# Altium PCB EspProg-V1.0.PcbDoc
Units mm, origin at the board's own origin, x right, y up, seen from the top; angles counter-clockwise.
Board outline 76.6 x 46.8 mm, 2 copper layers (Top Layer, Bottom Layer), stack 1.58 mm thick; 24 components, 20 nets, 83 pads, 0 vias.
Unrouted connection lines stored in the file: 16.
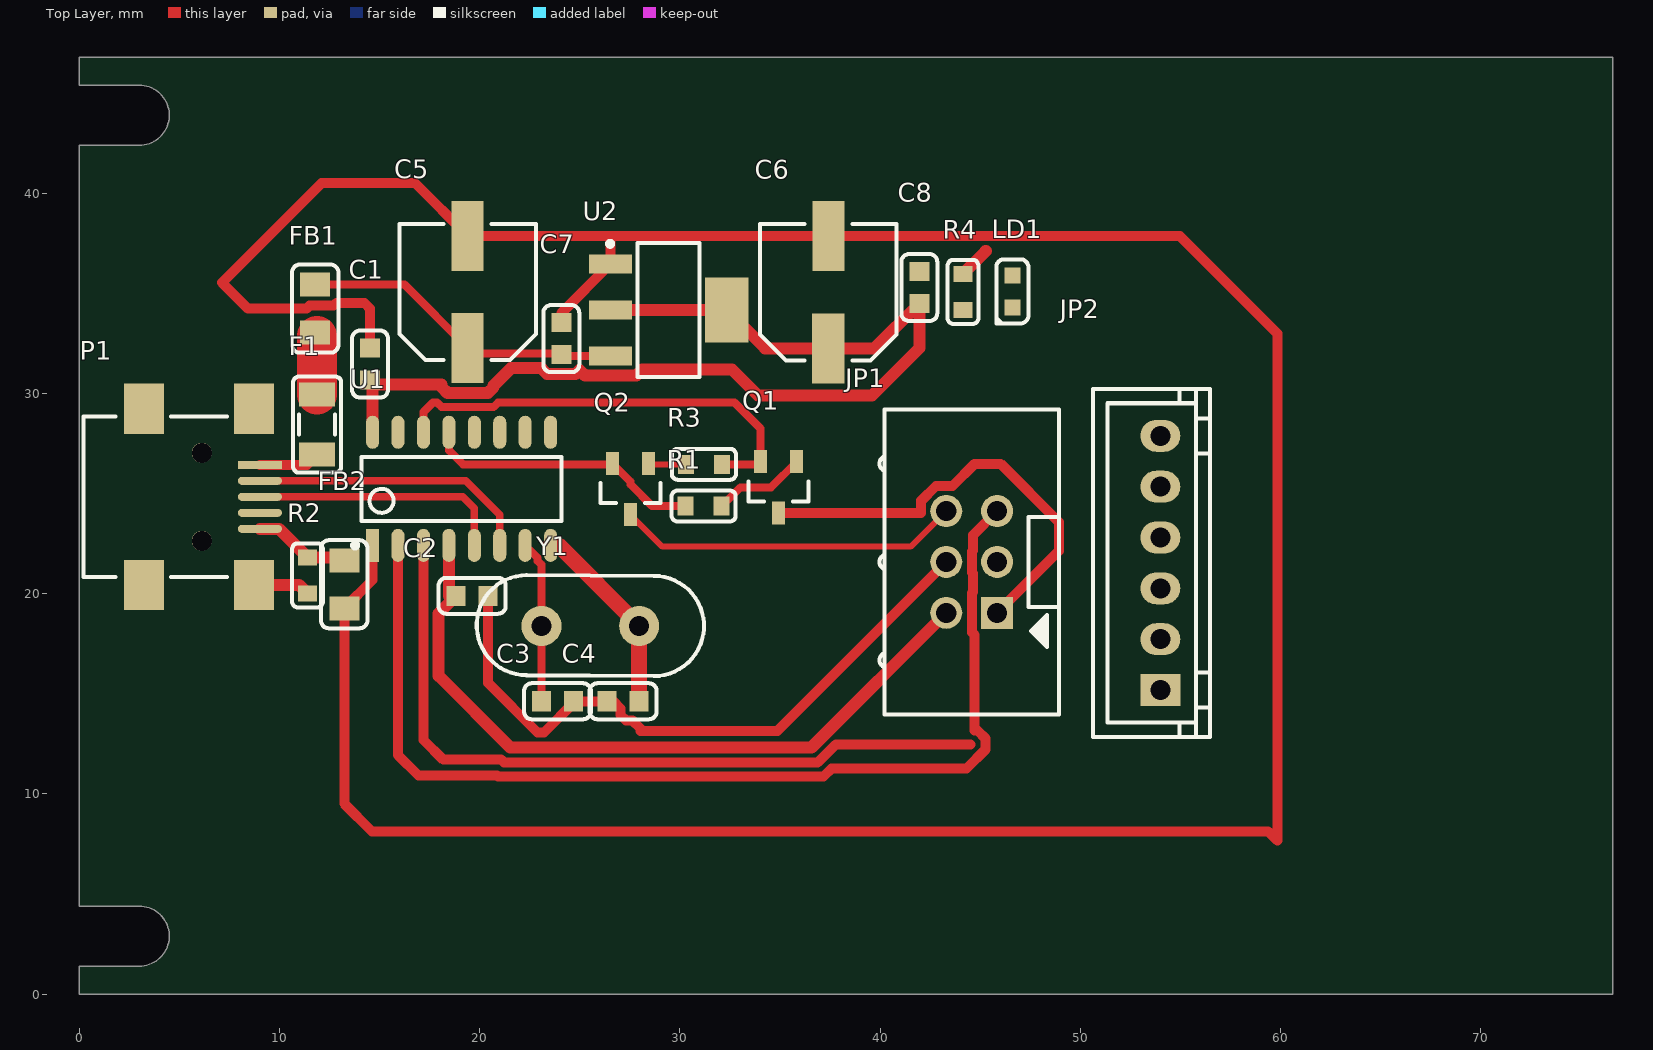
[diagram p0: Top Layer view]
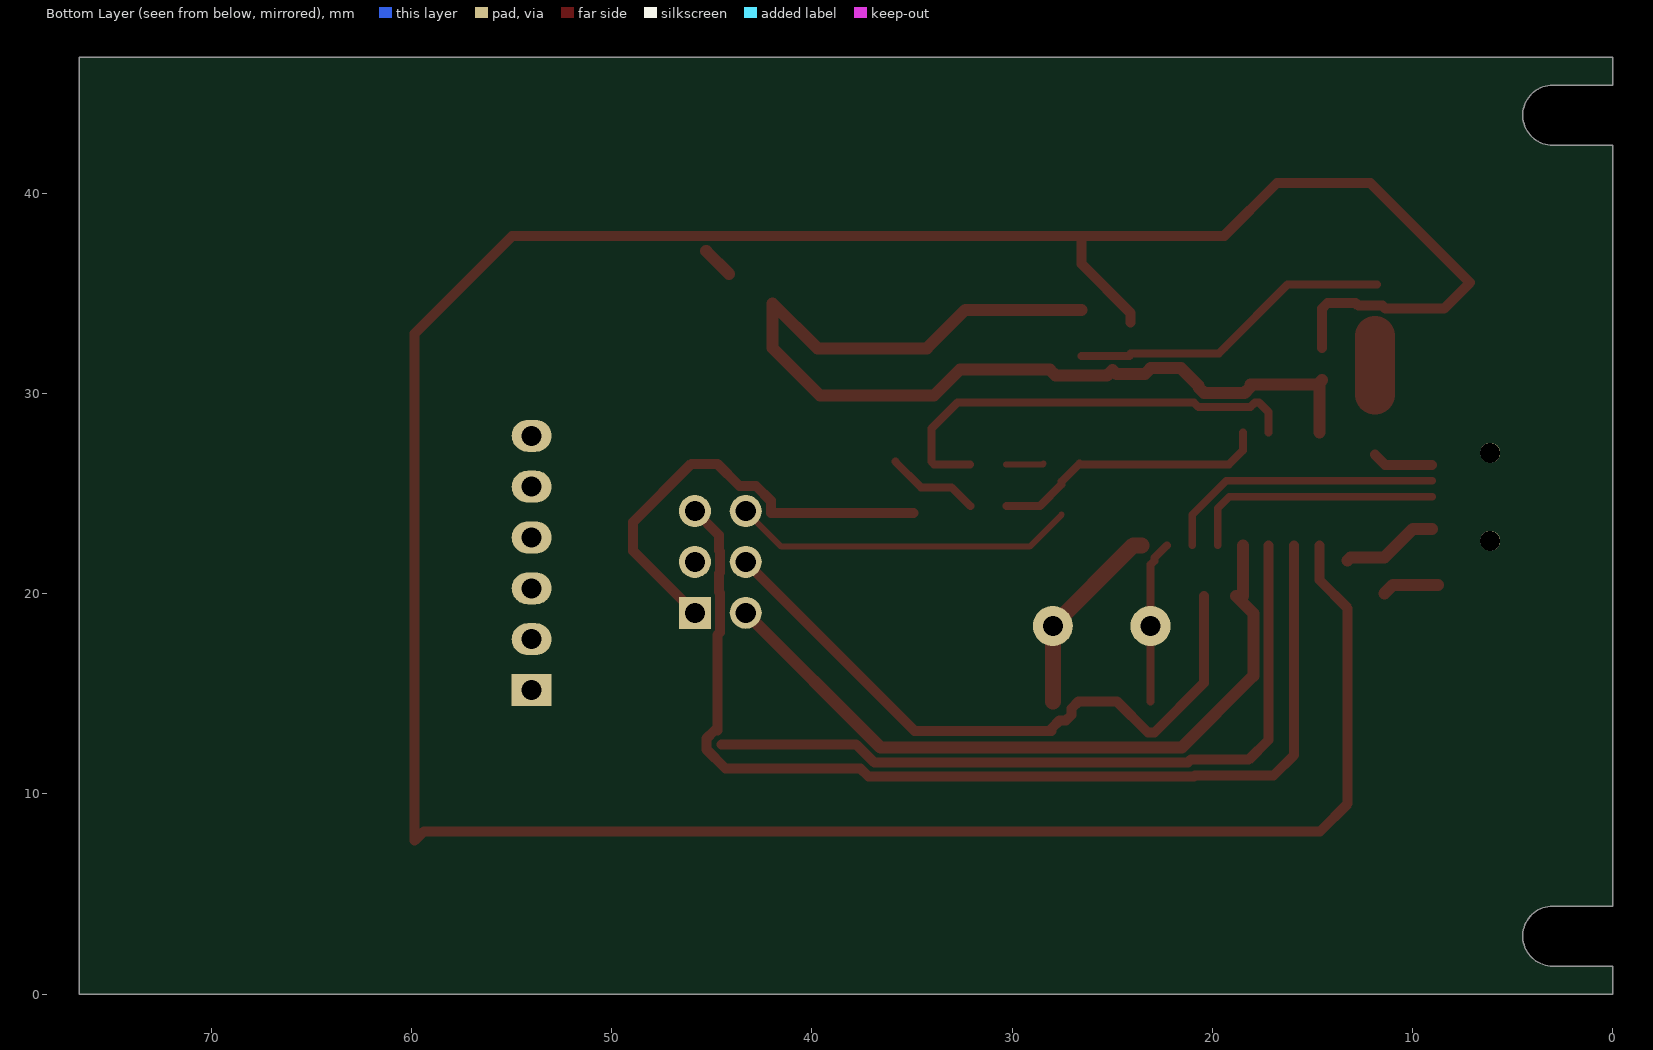
[diagram p1: Bottom Layer view, seen from below]
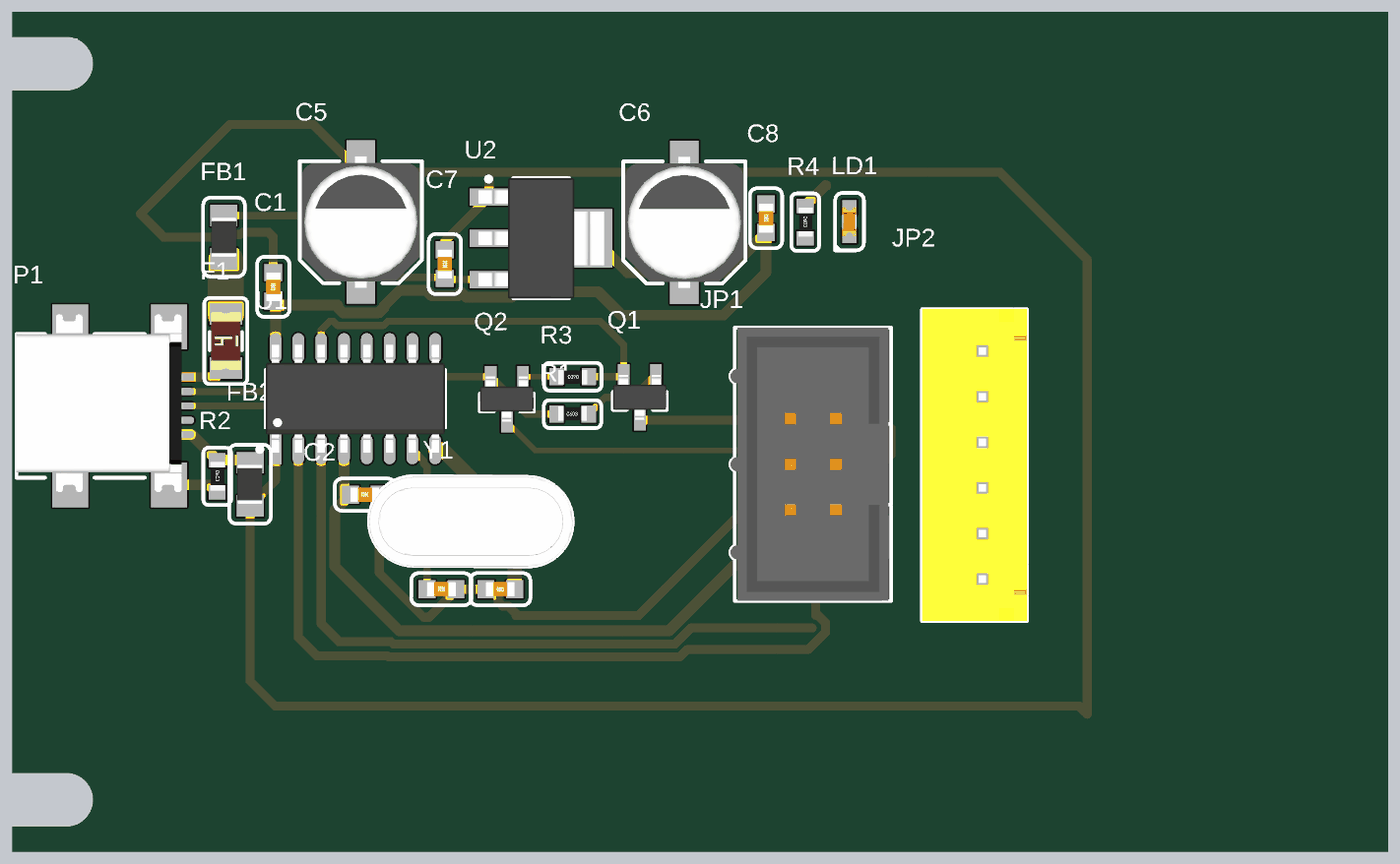
[diagram p2: 3D render of the assembled board from above, using the file's embedded part models]

## Layer stack, top to bottom
Top Solder: solder mask 0.01, Solder Resist, Dk 3.5
Top Layer: signal copper 0.036
Dielectric 1: dielectric 1.508, FR-4, Dk 4.8
Bottom Layer: signal copper 0.036
Bottom Solder: solder mask 0.01, Solder Resist, Dk 3.5

## Board outline
0,0 0,1.4 3,1.4 ccw(c3,2.9) 3,4.4 0,4.4 0,42.4 3,42.4 ccw(c3,43.9) 3,45.4 0,45.4 0,46.8 76.6,46.8 76.6,0

## Design rules (kind name [scope] priority, off if disabled: settings)
Clearance Clearance_IC [InComponent('U1')] p1: gap=0.127 ignorepadtopadclearanceinfootprint=TRUE
Clearance Clearance_Pour [InPolygon] p2: gap=0.54 ignorepadtopadclearanceinfootprint=FALSE
Clearance [All] p3: gap=0.2 ignorepadtopadclearanceinfootprint=TRUE
ComponentClearance ComponentClearance_CONN [(HasFootprint('CON-TER-HB9500-2') OR HasFootprint('CON-TER-KF128V-02'))] p1: gap=-5 collisioncheckmode=3 verticalgap=0.254 showdistances=FALSE
ComponentClearance [All] p2: gap=0.254 collisioncheckmode=3 verticalgap=0.127 showdistances=FALSE
DiffPairsRouting [All] p1: maxlimit=0.4 minlimit=0.3 mostfreqgap=0.3 toplayer_minwidth=0.381 toplayer_maxwidth=0.381 toplayer_prefwidth=0.381 bottomlayer_minwidth=0.381 bottomlayer_maxwidth=0.381 bottomlayer_prefwidth=0.381 maxuncoupledlength=12.7
Height [All] p1: minheight=0 maxheight=50 prefheight=12.7
HoleSize [All] p1: absolutevalues=TRUE maxlimit=4 minlimit=0.3 maxpercent=80.000 minpercent=20.000
MinimumSolderMaskSliver [All] p1: minsoldermaskwidth=0.05
PlaneConnect [All] p1: planeconnectstyle=Direct reliefexpansion=0.508 reliefentries=4 reliefconductorwidth=0.254 reliefairgap=0.254
PolygonConnect PolygonConnect_U1 [All vs InNamedPolygon('GND_POLYGON_U1')] p1: connectstyle=Direct reliefconductorwidth=0.5 reliefentries=4 polygonreliefangle="90 Angle" airgapwidth=0.3
PolygonConnect [All] p2: thpad.connectstyle=Relief thpad.reliefconductorwidth=0.6 thpad.reliefentries=4 thpad.polygonreliefangle="90 Angle" thpad.airgapwidth=0.3 smdpad.connectstyle=Relief smdpad.reliefconductorwidth=0.5 smdpad.reliefentries=4 smdpad.polygonreliefangle="90 Angle" smdpad.airgapwidth=0.3 via.connectstyle=Direct via.reliefconductorwidth=0.254 via.reliefentries=4 via.polygonreliefangle="90 Angle" via.airgapwidth=0.254
RoutingVias [All] p1: holewidth=0.3 width=0.6 viastyle="Through Hole" minholewidth=0.3 minwidth=0.6 maxholewidth=1 maxwidth=2
SilkToSolderMaskClearance [IsPad] p1: minsilkscreentomaskgap=0.127 clearancetoexposedcopper=TRUE
SolderMaskExpansion [All] p1: expansion=0.102 istentingtop=FALSE
Width [All] p1: maxlimit=2.5 minlimit=0.2 preferedwidth=0.6
23 further rules are at their usual default settings.

## Classes and differential pairs
differential pair USB: +USB_P -USB_N

## Components (designator, comment, footprint, x,y, rotation, side; value= is the part's Value field where it differs from the comment)
C1 "100nF/16V" CAP-CER0603-0.8H 14.529,31.471 r270 top
C2 "100nF/16V" CAP-CER0603-0.8H 19.629,19.897 r180 top
C3 "22pF/16V" CAP-CER0603-0.8H 23.889,14.63 r180 top
C4 "22pF/16V" CAP-CER0603-0.8H 27.169,14.63 r0 top
C5 "100uF/16V" CAP-ALU-6.3D5.8H-SMD 19.406,35.077 r90 top
C6 "100uF/16V" CAP-ALU-6.3D5.8H-SMD 37.415,35.058 r90 top
C7 "100nF/16V" CAP-CER0603-0.8H 24.079,32.741 r90 top
C8 "100nF/16V" CAP-CER0603-0.8H 41.961,35.293 r90 top
F1 "6V/2A" FUS-PTC-SMD1206-1.6H 11.887,28.45 r90 top
FB1 "120R/3A" IND-C0805-1.1H 11.786,34.239 r90 top
FB2 "120R/3A" IND-C0805-1.1H 13.233,20.472 r270 top
JP1 "IDC6S" CON-IDC6-2.54P9.3H-S-THR 44.577,21.59 r90 top
JP2 "XH2.54M-1X06V-7H" CON-XH2.54-6S 54,21.539 r90 top
LD1 "RED" LED-IND0603-RED-0.6H 46.609,35.103 r270 top
P1 "MINI-B RA" CON-USB-MINIB-SMD 4.851,24.841 r270 top
Q1 "40V/0.6A" SOT23-3-1.1H 34.936,25.319 r270 top
Q2 "40V/0.6A" SOT23-3-1.1H 27.534,25.222 r270 top
R1 "1K" RES-CHP0603-0.6H 31.191,24.384 r0 top
R2 "1M" RES-CHP0603-0.6H 11.405,20.919 r270 top
R3 "1K" RES-CHP0603-0.6H 31.202,26.467 r180 top
R4 "10K" RES-CHP0603-0.6H 44.145,35.077 r270 top
U1 "CH340G" SOIC16-1.75H 19.101,25.241 r90 top
U2 "TLV1117-3.3" SOT223-4N-1.8H 29.443,34.177 r0 top
Y1 "12MHz" XTAL-HC49S-3.5H-THR 25.529,18.39 r0 top

## Footprints (in the part's own frame and the unit in brackets; to place one, negate y for a bottom-side part, rotate by r counter-clockwise, add the part's x,y. Pads: shape width x height; smd on the part's side, far side on the other; paste and mask are expansions set on the pad)
CAP-ALU-6.3D5.8H-SMD [mm] "CAP ALU 6.3D5.8H BODY 6.60X6.60 SMD"
  rect 3.5x1.6 smd: 1(-2.8,0.001) 2(2.8,0)
  silkscreen extent -3.4,-3.4 3.4,3.4, body extent -3.65,-3.3 3.65,3.3, height 5.8
CAP-CER0603-0.8H [mm] "CAP CER 0805 0.8 Height SMD Density Level B"
  rect 0.95x1 smd: 1(-0.8,0) 2(0.8,0)
  silkscreen extent -1.68,-0.9 1.68,0.9, body extent -0.8,-0.4 0.8,0.4, height 0.3
CON-IDC6-2.54P9.3H-S-THR [mm] "Connector IDC6 Strangle, Pitch 2.54mm, Height 9.3mm"
  rect 1.6x1.6 hole 1: 1(-2.54,-1.27)
  round 1.6 hole 1: 2(-2.54,1.27) 3(0,-1.27) 4(0,1.27) 5(2.54,-1.27) 6(2.54,1.27)
  silkscreen extent -7.61,-4.35 7.61,4.6, body extent -7.61,-4.25 7.61,4.6, height 9.33
CON-USB-MINIB-SMD [mm] "Connector, USB2.0, Type Mini B, SMD"
  round 1 hole 1: 0(-2.2,1.275) 0(2.2,1.275)
  rect 0.4x2.2 smd: 1(-1.6,4.175)
  oval 0.4x2.2 smd: 2(-0.8,4.175) 3(0,4.175) 4(0.8,4.175) 5(1.6,4.175)
  rect 2.5x2 smd: 6(-4.4,3.875) 6(-4.4,-1.625) 6(4.4,3.875) 6(4.4,-1.625)
  silkscreen extent -4,-4.62 4,2.52, body extent -5.1,-4.62 4.8,4.62, height 3.98
CON-XH2.54-6S [mm] "Connector, Case: XH2.54, 6-Pins, Strangle"
  rect 1.6x2 hole 1: 1(-6.35,0)
  oval 1.6x2 hole 1: 2(-3.81,0) 3(-1.27,0) 4(1.27,0) 5(3.81,0) 6(6.35,0)
  silkscreen extent -8.69,-2.49 8.69,3.35, body extent -8.69,-2.49 8.69,3.35, height 7.31
FUS-PTC-SMD1206-1.6H [mm] "FUS PTC RST 1206 SMD"
  rect 1.2x1.8 smd: 1(-1.5,0) 2(1.5,0)
  silkscreen extent -2.4,-1.2 2.4,1.2, body extent -1.6,-0.83 1.6,0.83, height 0.56
IND-C0805-1.1H [mm] "Chip Inductor, 2-Leads, Body 2.00x1.20mm, IPC Low Density"
  rect 1.2x1.5 smd: 1(-1.2,0.01) 2(1.2,0.01)
  silkscreen extent -2.2,-1.16 2.2,1.16, body extent -1.1,-0.7 1.1,0.7, height 1.1
LED-IND0603-RED-0.6H [mm] "LED INDICATION SMD-0603 Height 0.6mm RED"
  rect 0.8x0.8 smd: 1(-0.801,0) 2(0.8,0)
  silkscreen extent -1.6,-0.8 1.6,0.8, body extent -0.8,-0.4 0.8,0.4, height 0.6
RES-CHP0603-0.6H [mm] "RES CHP 1/10W 0603 SMD"
  rect 0.8x0.95 smd: 1(-0.9,0) 2(0.9,0)
  silkscreen extent -1.6,-0.77 1.6,0.77, body extent -0.8,-0.37 0.8,0.43, height 0.45
SOIC16-1.75H [mm] "SOP, 16-Leads, Body 9.90x3.90mm, Pitch 1.27mm, IPC Low Density"
  rect 1.65x0.65 smd: 1(-2.825,4.445)
  oval 1.65x0.65 smd: 2(-2.825,3.175) 3(-2.825,1.905) 4(-2.825,0.635) 5(-2.825,-0.635) 6(-2.825,-1.905) 7(-2.825,-3.175) 8(-2.825,-4.445) 9(2.825,-4.445) 10(2.825,-3.175) 11(2.825,-1.905) 12(2.825,-0.635) 13(2.825,0.635) 14(2.825,1.905) 15(2.825,3.175) 16(2.825,4.445)
  silkscreen extent -2.95,-5 1.6,5.44, body extent -3,-5 3,5, height 1.75
SOT23-3-1.1H [mm] "SOT23-3 1.1H SMD"
  rect 1.15x0.65 smd: 1(-1.275,0.9) 2(-1.275,-0.9) 3(1.275,0)
  silkscreen extent -0.3,-1.5 0.7,1.5, body extent -1.25,-1.5 1.25,1.5, height 1.1
SOT223-4N-1.8H [mm] "SOT223, 4-Leads, Body 6.50x7.00mm (avg), Pitch 2.30mm, IPC Medium Density"
  rect 2.15x0.95 smd: 1(-2.9,2.3) 2(-2.9,0) 3(-2.9,-2.3)
  rect 2.15x3.25 smd: 4(2.9,0)
  silkscreen extent -3.05,-3.35 1.55,3.42, body extent -3.5,-3.35 3.5,3.35, height 1.8
XTAL-HC49S-3.5H-THR [mm] "CRYSTAL, Case: HC-49S, Body: 11.4x4.8mm, Height: 3.5mm, THR"
  round 2 hole 1: 1(-2.44,0) 2(2.44,0)
  silkscreen extent -5.67,-2.5 5.67,2.54, body extent -5.67,-2.5 5.67,2.5, height 3.78

## Part data
C1 C2 C7 C8: library part "CAPCER0008 0603 100nF/16V", "CAP CER 100nF/16V 10% X7R 0603 SMD", MFR=YAGEO, MFR PN=CC0603KRX7R7BB104, CERT=NA, Class=B, Line=SMT, MOUNT=SMD, PRD CODE=(SAP), SRT PN=CAPCER0008, TYPE=EP, Unit=PCS
C3 C4: library part "CAPCER0060 0603 22pF/16V", "CAP CER 22pF/16V 5% C0G 0603 SMD", MFR=KEMET, MFR PN=C0603C220J4GAC7867, CERT=NA, Class=B, Line=SMT, MOUNT=SMD, PRD CODE=(SAP), SRT PN=CAPCER0060, TYPE=EP, Unit=PCS
C5 C6: library part "CAPALU0012 6.3X5.8 100uF/16V SMD", "CAP ALU 100uF/16V 20% 2K105 2.2P 6.3X5.8 SMD", MFR=NICHICON, MFR PN=UUD1C101MCL1GS, CERT=NA, Class=B, Line=SMT, MOUNT=SMD, PRD CODE=(SAP), SRT PN=CAPALU0012, TYPE=EP, Unit=PCS
F1: library part "FUSPTC0001 1206 6V/2A", "FUS PTC RST 6V 2A 1206 SMD", MFR=BOURNS, MFR PN=MF-NSMF200-2, CERT=NA, Class=B, Line=DIP, MOUNT=MI, PRD CODE=(SAP), SRT PN=FUSPTC0001, TYPE=EP, Unit=PCS
FB1 FB2: library part "FILFER0001 0805 120R/3A", "FIL FER CHP 1LN 120R 3A 0805 SMD", MFR=MURATA, MFR PN=BLM21PG121SN1D, CERT=NA, Class=B, Line=SMT, MOUNT=SMD, NOTE=120R@100MHz, PRD CODE=(SAP), SRT PN=FILFER0001, TYPE=EP, Unit=PCS
JP1: library part "CONW2B0010 IDC2.54M-6PV", "CON W2B IDC2.54M-2X3V-9H THR", MFR=XFCN, MFR PN=BH254V-6P, CERT=NA, Class=NA, Line=DIP, MOUNT=MI, NOTE=NA, PRD CODE=(SAP), SRT PN=CONW2B0010, TYPE=EP, Unit=PCS
JP2: library part "CONW2B0005 XH2.54M-1X06V-7H", "CON B2B XH2.54M-1X06V-7H THR", MFR=XUNPU, MFR PN=WAFER-XH2.54-6PZZ, CERT=NA, Class=NA, Line=DIP, MOUNT=MI, NOTE=NA, PRD CODE=(SAP), SRT PN=CONW2B0005, TYPE=EP, Unit=PCS
LD1: library part "LEDIND0001 0603 RED", "LED IND RED CLR 2V 20mA 0603 SMD", MFR=WURTH, MFR PN=150060SS75000, CERT=NA, Class=B, Line=SMT, MOUNT=SMD, NOTE="80mcd~220mcd, 130deg", PRD CODE=(SAP), SRT PN=LEDIND0001, TYPE=EP, Unit=PCS
P1: library part "CONUSB0001 MINI-B RA SMD", "CON USB TYPB RCPT 5POS MINI-B RA SMD", MFR=HANBO, MFR PN=MINI-501, CERT=NA, Class=A, Line=SMT, MOUNT=SMD, PRD CODE=(SAP), TYPE=EP, Unit=PCS
Q1 Q2: library part "BJTNPN0001 SOT23 40V/0.6A", "BJT NPN 40V 0.6A SOT23-3 SMD", MFR=ONSEMI, MFR PN=MMBT2222ALT1G, CERT=NA, Class=B, Line=SMT, MOUNT=SMD, NOTE=MMBT2222A, PRD CODE=(SAP), SRT PN=BJTNPN0001, TYPE=EP, Unit=PCS
R1 R3: library part "RESCHP0007 0603 1% 1K", "RES CHP 1K 1% 1/10W 0603 SMD", MFR=YAGEO, MFR PN=RC0603FR-071KL, CERT=NA, Class=B, Line=SMT, MOUNT=SMD, PRD CODE=(SAP), SRT PN=RESCHP0007, TYPE=EP, Unit=PCS
R2: library part "RESCHP0036 0603 1% 1M", "RES CHP 1M 1% 1/10W 0603 SMD", MFR=YAGEO, MFR PN=RC0603FR-071ML, CERT=NA, Class=B, Line=SMT, MOUNT=SMD, PRD CODE=(SAP), SRT PN=RESCHP0036, TYPE=EP, Unit=PCS
R4: library part "RESCHP0008 0603 1% 10K", "RES CHP 10K 1% 1/10W 0603 SMD", MFR=YAGEO, MFR PN=RC0603FR-0710KL, CERT=NA, Class=B, Line=SMT, MOUNT=SMD, PRD CODE=(SAP), SRT PN=RESCHP0008, TYPE=EP, Unit=PCS
U1: library part "ICSINT0001 CH340G", "ICS INT USB-TTL CH340G 16SOIC SMD", MFR=WCH, MFR PN=CH340C, CERT=NA, Class=B, Line=SMT, MOUNT=SMD, PRD CODE=(SAP), SRT PN=ICSINT0001, TYPE=EP, Unit=PCS
U2: library part "ICSVRE0001 SOT223 TLV1117-3.3", "ICS VRE TLV1117-33 3V3 0.8A SOT223 SMD", MFR=TI, MFR PN=TLV1117-33CDCYR, CERT=NA, Class=A, Line=SMT, MOUNT=SMD, PRD CODE=(SAP), SRT PN=ICSVRE0001, TYPE=EP, Unit=PCS
Y1: library part "XTACRY0006 HC49S-THR 12MHz", "XTA CRY 12MHz 20pF 10PPM HC49S THR", MFR=YXC, MFR PN=X49SD12MSB2SI, CERT=NA, Class=B, Line=SMT, MOUNT=SMD, PRD CODE=(SAP), SRT PN=XTACRY0006, TYPE=EP, Unit=PCS

## Nets (pads, with @x,y where several pads share a name; then routed paths per layer and width w, separated by ;. In a path a pad name is that pad's centre, name@x,y a point inside that pad or via, vN(x,y) a via of type N, cw(c..) or ccw(c..) an arc to the next point about the centre after c; other vN are vias at no path point)
+3V3: C1.2 C2.2 C6.1 C8.1 JP1.2 JP2.2 R4.1 U1.4 U1.16 U2.2 U2.4 | length 90.6
  Top Layer w0.6: C1.2 C1.2@14.656,30.544 ; U1.16 C1.2@14.656,30.544 ; U1.4 18.466,19.897 C2.2@18.61,19.897 ; C2.2@18.703,19.771 C2.2 17.954,19.022 17.954,15.896 21.531,12.319 36.576,12.319 JP1.2 ; U2.2 U2.4 34.262,32.258 C6.1 39.726,32.258 C8.1 41.961,32.263 39.594,29.896 33.909,29.896 32.61,31.195 28.118,31.195 27.825,30.902 25.261,30.902 24.992,31.171 24.786,30.966 23.372,30.966 23.079,31.258 23.079,31.267 21.568,31.267 20.705,30.404 20.705,30.32 20.412,30.027 18.398,30.027 18.105,30.32 18.105,30.456 14.744,30.456 C1.2@14.656,30.544 ; R4.1 45.276,37.108 45.288,37.108
+5V: C5.1 C7.1 FB1.2 U2.3 | length 16.2
  Top Layer w0.4: FB1.2 16.243,35.439 C5.1 19.678,32.004 C7.1@24.079,32.004 ; C7.1 24.143,31.877 U2.3
DTR: Q2.2 R1.1 U1.13 | length 14
  Top Layer w0.4: U1.13 18.466,27.166 19.165,26.467 Q2.2@26.634,26.467 ; Q2.2 27.534,25.597 27.534,25.467 28.616,24.384 R1.1
ESP_FSH: JP1.6 JP2.6 Q2.3 | length 17.2
  Top Layer w0.3: Q2.3 29.129,22.352 41.529,22.352 JP1.6
ESP_RST: JP1.1 JP2.1 Q1.3 | length 22.4
  Top Layer w0.5: Q1.3 42.057,24.044 42.057,24.648 42.789,25.38 43.617,25.38 44.729,26.492 46.025,26.492 48.927,23.59 48.927,22.13 JP1.1
ESP_RX: JP1.5 JP2.5 U1.2 | length 53.7
  Top Layer w0.5: U1.2 15.926,11.938 16.942,10.922 20.877,10.922 20.93,10.869 37.177,10.869 37.585,11.278 44.323,11.278 45.277,12.232 45.277,12.761 44.867,13.171 44.729,13.171 44.729,17.931 44.597,18.064 44.597,20.036 44.653,20.093 44.653,21.016 44.597,21.072 44.597,22.108 44.653,22.164 44.653,22.936 JP1.5
ESP_TX: JP1.3 JP2.3 U1.3 | length 37.9
  Top Layer w0.5: U1.3 17.196,12.7 18.186,11.709 21.08,11.709 21.22,11.569 36.887,11.569 37.789,12.471 44.527,12.471
GND: C1.1 C2.1 C3.1 C4.1 C5.2 C6.2 C7.2 C8.2 FB2.2 JP1.4 JP2.4 LD1.2 U1.1 U2.1 | length 192.8
  Top Layer w0.5: C1.1 14.529,34.239 14.249,34.519 12.841,34.519 12.712,34.389 11.506,34.389 11.356,34.239 8.433,34.239 7.137,35.535 12.116,40.513 16.77,40.513 C5.2 19.425,37.858 26.543,37.858 ; U1.1 14.656,20.685 FB2.2 13.243,9.515 14.63,8.128 59.385,8.128 59.842,7.671 59.842,32.995 54.979,37.858 C6.2 26.543,37.858 ; C2.1 20.429,15.538 22.897,13.069 23.216,13.069 24.777,14.63 C4.1 26.678,14.63 27.044,14.265 27.044,13.944 27.307,13.68 27.628,13.68 28.042,13.267 28.042,13.157 34.874,13.157 JP1.4 ; C7.2 24.079,34.013 U2.1 26.543,37.858
NetF1_1: F1.1 P1.1 | length 3.1
  Top Layer w0.5: P1.1 11.378,26.441 F1.1
NetLD1_1: LD1.1 R4.2
NetP1_6: P1.6 R2.2 | length 2.9
  Top Layer w0.6: P1.6@8.726,20.441 10.982,20.441 R2.2
NetQ1_1: Q1.1 R1.2 | length 4.7
  Top Layer w0.4: R1.2 33.026,25.319 34.561,25.319 Q1.1
NetQ2_1: Q2.1 R3.2 | length 1.9
  Top Layer w0.3: Q2.1 28.464,26.467 R3.2
RTS: Q1.2 R3.1 U1.14 | length 22.4
  Top Layer w0.4: U1.14 17.196,29.08 17.671,29.556 17.879,29.556 18.108,29.327 20.702,29.327 20.93,29.556 32.738,29.556 34.036,28.258 Q1.2 33.909,26.467 R3.1
UGND: FB2.1 P1.5 R2.1 | length 4.9
  Top Layer w0.6: P1.5 9.982,23.241 R2.1 13.097,21.819 FB2.1
USB_N: P1.2 U1.6 | length 14.2
  Top Layer w0.381: P1.2 19.317,25.641 21.006,23.952 U1.6
USB_P: P1.3 U1.5 | length 12.8
  Top Layer w0.381: P1.3 19.154,24.841 19.736,24.259 U1.5
VUSB: F1.2 FB1.1 | length 2.9
  Top Layer w2: F1.2 FB1.1@11.887,32.878
XI: C3.2 U1.7 Y1.1 | length 8.1
  Top Layer w0.4: U1.7 22.894,21.798 22.894,21.646 23.089,21.451 Y1.1 C3.2
XO: C4.2 U1.8 Y1.2 | length 9.8
  Top Layer w0.8: U1.8 23.942,22.416 Y1.2 C4.2
pads on no net: P1.0 P1.4 U1.9 U1.10 U1.11 U1.12 U1.15

## Silkscreen, mask and mechanical layers (free items; w line width, h text height)
Fab Notes:
  drawing of 422 lines, arcs and shapes, not listed
  text "FAB NOTES" at -43.756,394.299 h3
  text "01. MATERIAL: FR-4" at -43.756,388.699 h2.2
  text "TG-130" at 2.244,388.699 h2.2
  text "TG-150" at 28.244,388.699 h2.2
  text "TG-150(HALOGEN FREE)" at 64.244,388.699 h2.2
  text "TG-140" at 2.244,383.699 h2.2
  text "TG-170" at 28.244,383.699 h2.2
  text "TG-170(HALOGEN FREE)" at 64.244,383.699 h2.2
  text "TG-160" at 2.244,378.699 h2.2
  text "HIGH CTI (>600V)" at 28.244,378.699 h2.2
  text "HIGH CTI (>600V, (HALOGEN FREE)" at 64.244,378.699 h2.2
  text "02. LAYER:" at -43.756,373.699 h2.2
  text "SEE LAYER STACK TABLE" at 2.244,373.699 h2.2
  text "02 COPPER LAYER" at 64.244,373.699 h2.2
  text "03. THICKNESS:" at -43.756,368.699 h2.2
  text "SEE LAYER STACK TABLE" at 2.244,368.699 h2.2
  text "TOTAL: 1.2MM  10%" at 64.244,368.699 h2.2
  text "04. BOARD TYPE:" at -43.756,363.699 h2.2
  text "CUSTOMER PANEL" at 2.244,363.699 h2.2
  text "MFGR PANEL" at 64.244,363.699 h2.2
  text "SINGLE PCB" at 114.052,363.699 h2.2
  text "05. ROUTE PROCESS:" at -43.756,358.699 h2.2
  text "V SCORING" at 2.244,358.699 h2.2
  text "V SCORING & TAB ROUTING" at 64.244,358.699 h2.2
  text "TAB ROUTING" at 28.079,358.534 h2.2
  text "V SCORING   (GM16): 30%" at 2.244,353.699 h2.2
  text "TAB ROUTING (GM17): DIA 1.5MM" at 2.244,348.699 h2.2
  text "06. X-OUT ALLOWANCE:" at -43.756,343.814 h2.2
  text "ACCEPT" at 2.244,343.699 h2.2
  text "NOT ACCEPT" at 28.079,343.534 h2.2
  text "07. MIN TRACK/SPACING:" at -43.756,338.814 h2.2
  text "0.203/0.203MM (8/8MIL)" at -2.756,338.699 h2.2
  text "08. MIN HOLE SIZE:" at -43.756,333.814 h2.2
  text "SEE DRILL TABLE" at -2.756,333.699 h2.2
  text "09. SOLDER MASK:" at -43.756,328.814 h2.2
  text "GREEN" at 2.244,328.699 h2.2
  text "RED" at 28.244,328.699 h2.2
  text "YELLOW" at 54.244,328.699 h2.2
  text "BLUE" at 84.744,328.699 h2.2
  text "WHITE" at 119.244,328.699 h2.2
  text "BLACK" at 2.244,323.699 h2.2
  text "PURPLE" at 28.244,323.699 h2.2
  text "MATTE BLACK" at 54.244,323.699 h2.2
  text "MATTE GREEN" at 84.744,323.699 h2.2
  text "NONE" at 119.244,323.699 h2.2
  text "10. SILKSCREEN:" at -43.756,318.814 h2.2
  text "WHITE" at 2.244,318.699 h2.2
  text "BLACK" at 28.244,318.699 h2.2
  text "GRAY" at 54.244,318.699 h2.2
  text "BLUE" at 84.744,318.699 h2.2
  text "NONE" at 119.244,318.699 h2.2
  text "11. SURFACE FINISH:" at -43.756,313.814 h2.2
  text "OSP" at 2.244,313.699 h2.2
  text "HASL" at 28.244,313.699 h2.2
  text "HASL(PB-FREE)" at 54.244,313.699 h2.2
  text "IMMERSION SILVER" at 84.744,313.699 h2.2
  text "ENEPIG" at 119.244,313.699 h2.2
  text "ENIG (2U)" at 2.244,308.699 h2.2
  text "ENIG (3U)" at 28.244,308.699 h2.2
  text "HARD GOLD" at 54.244,308.699 h2.2
  text "GOLD FINGER" at 84.744,308.699 h2.2
  text "NONE" at 119.244,308.699 h2.2
  text "12. FINISHED COPPER:" at -43.756,303.814 h2.2
  text "0.5 OZ" at 2.244,303.699 h2.2
  text "1 OZ" at 28.244,303.699 h2.2
  text "2 OZ" at 54.244,303.699 h2.2
  text "3 OZ" at 84.744,303.699 h2.2
  text "4 OZ" at 119.244,303.699 h2.2
  text "5 OZ" at 2.244,298.699 h2.2
  text "6 OZ" at 28.244,298.699 h2.2
  text "7 OZ" at 54.244,298.699 h2.2
  text "8 OZ" at 84.744,298.699 h2.2
  text "9 OZ" at 119.244,298.699 h2.2
  text "10 OZ" at 2.244,293.699 h2.2
  text "11 OZ" at 28.244,293.699 h2.2
  text "12 OZ" at 54.244,293.699 h2.2
  text "13 OZ" at 84.744,293.699 h2.2
  text "14 OZ" at 119.244,293.699 h2.2
  text "13. BOARD SPEC:" at -43.756,288.814 h2.2
  text "IPC-6012 CLASS II" at 2.244,288.699 h2.2
  text "AUTOMOTIVE STANDARD" at 84.744,288.699 h2.2
  text "IPC-6012 CLASS III" at 42.737,288.687 h2.2
  text "14. IMPEDANCE CONTROL:" at -43.756,283.814 h2.2
  text "NO" at 2.244,283.699 h2.2
  text "YES - SEE IMPEDANCE TABLE" at 42.737,283.687 h2.2
  text "15. PCB REQUIREMENTS:" at -43.756,273.803 h2.2
  text "15.1. BOARD SHAPE BASED ON:" at -37.591,268.938 h2.2
  text "MECHANICAL 30 (GM30)" at -26.756,263.699 h2.2
  text "KEEP-OUT LAYER (GKO)" at 30.244,263.699 h2.2
  text "15.2. SILKSCREEN SHALL BE:" at -37.591,258.938 h2.2
  text "PERMANENT NON-CONDUCTIVE INK" at -26.756,253.699 h2.2
  text "NO OVERLAP ON ANY COMPONENT PAD OR THROUGH HOLE" at -26.756,248.699 h2.2
  text "15.3. UL MARKING:" at -37.591,243.938 h2.2
  text "TOP" at -26.756,238.699 h2.2
  text "BOTTOM" at -0.756,238.699 h2.2
  text "NONE" at 29.244,238.699 h2.2
  text "SILKSCREEN" at -26.756,233.699 h2.2
  text "SOLDER MASK" at -0.756,233.699 h2.2
  text "COPPER" at 29.079,233.534 h2.2
  text "15.4. PCB MANUFACTURER ADDED INFO (IF YES):" at -37.591,228.938 h2.2
  text "15.4.1. POSITION:" at -31.756,223.809 h2.2
  text "ON THE EDGE RAIL OF PANEL" at 2.244,218.699 h2.2
  text "ON THE TOP SILKSCREEN LAYER" at 2.244,213.699 h2.2
  text "15.4.2. ITEMS:" at -31.756,208.809 h2.2
  text "MFGR LOGO" at 2.244,203.699 h2.2
  text "DATE CODE" at 28.244,203.699 h2.2
  text "PRODUCT NUMBER" at 58.079,203.534 h2.2
  text "SUCCESSFUL ELECTRICAL BOARD TEST" at 2.244,198.699 h2.2
  text "15.5. USE THE SUPPLIED IPC-356 NETLIST TO VERIFY BOARD BEFORE FABRICATING BOARD" at -37.591,193.938 h2.2
  text "YES" at -26.756,188.699 h2.2
  text "NO" at -0.756,188.699 h2.2
  text "15.6. PLUG THE VIAS WHICH ARE COVERED WITH SOLDERMASK ONE OR TWO SIDE." at -37.591,183.938 h2.2
  text "15.7. BOARD SHALL BE LPI SOLDER MASKED OVER BARE COPPER BOTH SIDES PER IPC-SM-840 CLASS II" at -37.591,178.938 h2.2
  text "15.8. HOLE:" at -37.591,173.938 h2.2
  text "UNLESS OTHERWISE SPECIFIED ALL HOLE DIMENSIONS APPLY AFTER PLATING" at -26.756,168.699 h2.2
  text "PLATED HOLE WALL THICKNESS SHALL NOT BE LESS THAN 1MIL (0.025MM) MINIMUM" at -26.756,163.699 h2.2
  text "ALL HOLES SHALL BE LOCATED WITHIN 3MIL (0.075MM) DIAMETER OF TRUE POSITION" at -26.756,158.699 h2.2
  text "15.9. PASTE MASK (GTP/GBP) SHOULD BE ADD TO WORKING GERBER (JOB)" at -37.591,153.856 h2.2
Top Value:
  text "'.Layer_Name'" at 133.607,-56.849 h2.5
Bottom Value:
  text "'.Layer_Name'" at -78.038,-57.073 h2.5
Top Assembly:
  text "'.Layer_Name'" at 133.607,-56.859 h2.5
Bottom Assembly:
  text "'.Layer_Name'" at -78.038,-56.859 h2.5
Guideline:
  drawing of 151 lines, arcs and shapes, not listed
Top Sheet:
  drawing of 73 lines, arcs and shapes, not listed
  text "Title:" at 75.326,-55.426 h2.02
  text "'.PrjTitle' - '.PrjPartName'" at 81.569,-57.091 h2.5
  text "Project:" at 133.607,-60.514 h2
  text "DrawnBy" at 85.387,-61.885 h2
  text "Engineer" at 98.268,-61.913 h2
  text "CheckedBy" at 110.116,-61.913 h2
  text "ApprovedBy" at 122.117,-61.913 h2
  text "Revision" at 75.356,-62.098 h2
  text "'.PrjProjectName'" at 148.263,-62.295 h2.5
  text "Model:" at 133.607,-65.557 h2
  text "'.PrjCheckedBy'" at 110.372,-65.893 h2
  text "'.PrjApprovedBy'" at 122.573,-65.912 h2
  text "'.PrjDrawnBy'" at 85.011,-66.089 h2
  text "'.PrjEngineer'" at 97.652,-66.089 h2
  text "'.PrjModelName'" at 143.856,-67.359 h2.5
  text "'.PrjRevision'" at 76.931,-69.871 h3
  text "PHX PN:" at 133.607,-70.75 h2
  text "'.PrjPartName'" at 142.381,-72.649 h2.5
  text "PHX CODE:" at 133.607,-75.897 h2
  text "Projection" at 110.427,-75.984 h2
  text "mm" at 128.16,-76.057 h2.02
  text "Unit:" at 120.977,-76.097 h2
  text "'.PrjPartCode'" at 149.163,-77.51 h2.5
  text "1:1" at 128.617,-78.646 h2.02
  text "Scale:" at 120.977,-78.657 h2
  text "R&D" at 98.237,-80.08 h3
  text "Q'ty:" at 151.327,-80.652 h2
  text "Material:" at 133.687,-80.85 h2
  text "Size:" at 120.977,-81.127 h2
  text "A4" at 128.498,-81.134 h2
  text "'.PrjMaterial'" at 142.414,-82.799 h3
  text "'.PrjQuantity'" at 159.264,-82.799 h3
  text "Page:" at 120.977,-83.564 h2
  text "1" at 128.16,-83.691 h2.02
  text "1" at 130.4,-83.691 h2.02
  text "'.Pcb_File_Name''" at 79.507,-86.221 h2
  text "File:" at 75.347,-86.372 h2
Bottom Sheet:
  drawing of 73 lines, arcs and shapes, not listed
  text "Title:" at -19.755,-55.426 h2.02
  text "'.PrjTitle' - '.PrjPartName'" at -25.997,-57.091 h2.5
  text "Project:" at -78.035,-60.514 h2
  text "DrawnBy" at -29.815,-61.885 h2
  text "ApprovedBy" at -66.545,-61.913 h2
  text "CheckedBy" at -54.544,-61.913 h2
  text "Engineer" at -42.697,-61.913 h2
  text "Revision" at -19.785,-62.098 h2
  text "'.PrjProjectName'" at -92.692,-62.295 h2.5
  text "Model:" at -78.035,-65.557 h2
  text "'.PrjCheckedBy'" at -54.8,-65.893 h2
  text "'.PrjApprovedBy'" at -67.002,-65.912 h2
  text "'.PrjEngineer'" at -42.08,-66.089 h2
  text "'.PrjDrawnBy'" at -29.439,-66.089 h2
  text "'.PrjModelName'" at -88.285,-67.359 h2.5
  text "'.PrjRevision'" at -21.36,-69.871 h3
  text "PHX PN:" at -78.035,-70.75 h2
  text "'.PrjPartName'" at -86.81,-72.649 h2.5
  text "PHX CODE:" at -78.035,-75.897 h2
  text "Projection" at -54.855,-75.984 h2
  text "mm" at -72.589,-76.057 h2.02
  text "Unit:" at -65.405,-76.097 h2
  text "'.PrjPartCode'" at -93.592,-77.51 h2.5
  text "1:1" at -73.046,-78.646 h2.02
  text "Scale:" at -65.405,-78.657 h2
  text "R&D" at -42.665,-80.08 h3
  text "Q'ty:" at -95.755,-80.652 h2
  text "Material:" at -78.115,-80.85 h2
  text "A4" at -72.926,-81.134 h2
  text "Size:" at -65.405,-81.127 h2
  text "'.PrjQuantity'" at -103.693,-82.799 h3
  text "'.PrjMaterial'" at -86.843,-82.799 h3
  text "Page:" at -65.405,-83.564 h2
  text "1" at -74.829,-83.691 h2.02
  text "1" at -72.589,-83.691 h2.02
  text "'.Pcb_File_Name''" at -23.935,-86.221 h2
  text "File:" at -19.775,-86.372 h2
Top SMT Assembly:
  text "'.Layer_Name'" at 133.607,-56.864 h2.5
Bottom SMT Assembly:
  text "'.Layer_Name'" at -78.038,-56.864 h2.5
Top AI Assembly:
  text "'.Layer_Name'" at 133.607,-56.862 h2.5
Bottom AI Assembly:
  text "'.Layer_Name'" at -78.038,-56.862 h2.5
Top MI Assembly:
  text "'.Layer_Name'" at 133.607,-56.859 h2.5
Bottom MI Assembly:
  text "'.Layer_Name'" at -78.038,-56.859 h2.5
Top Skip:
  text "'.Layer_Name'" at 133.607,-56.869 h2.5
Bottom Skip:
  text "'.Layer_Name'" at -78.038,-56.864 h2.5

## Text inside footprints (layer, text, board x,y; h text height)
JP1: Top Assembly "1" at 46.362,17.33 h1.6 r90; Top Assembly "2" at 43.822,17.329 h1.6 r90; Top Assembly "5" at 46.354,25.273 h1.6 r90; Top Assembly "6" at 43.814,25.274 h1.6 r90; Top Value "1" at 46.362,17.33 h1.6 r90; Top Value "2" at 43.822,17.329 h1.6 r90; Top Value "5" at 46.354,25.273 h1.6 r90; Top Value "6" at 43.814,25.274 h1.6 r90; Top MI Assembly "1" at 46.362,17.33 h1.6 r90; Top MI Assembly "2" at 43.822,17.329 h1.6 r90; Top MI Assembly "5" at 46.354,25.273 h1.6 r90; Top MI Assembly "6" at 43.814,25.274 h1.6 r90
JP2: Top Assembly "6" at 53.383,27.601 h1.6 r90; Top Assembly "1" at 53.4,14.901 h1.6 r90; Top Value "6" at 53.383,27.601 h1.6 r90; Top Value "1" at 53.4,14.901 h1.6 r90; Top MI Assembly "1" at 53.4,14.901 h1.6 r90; Top MI Assembly "6" at 53.383,27.601 h1.6 r90